# KiCad board soldiercrab_panel.kicad_pcb (continued)
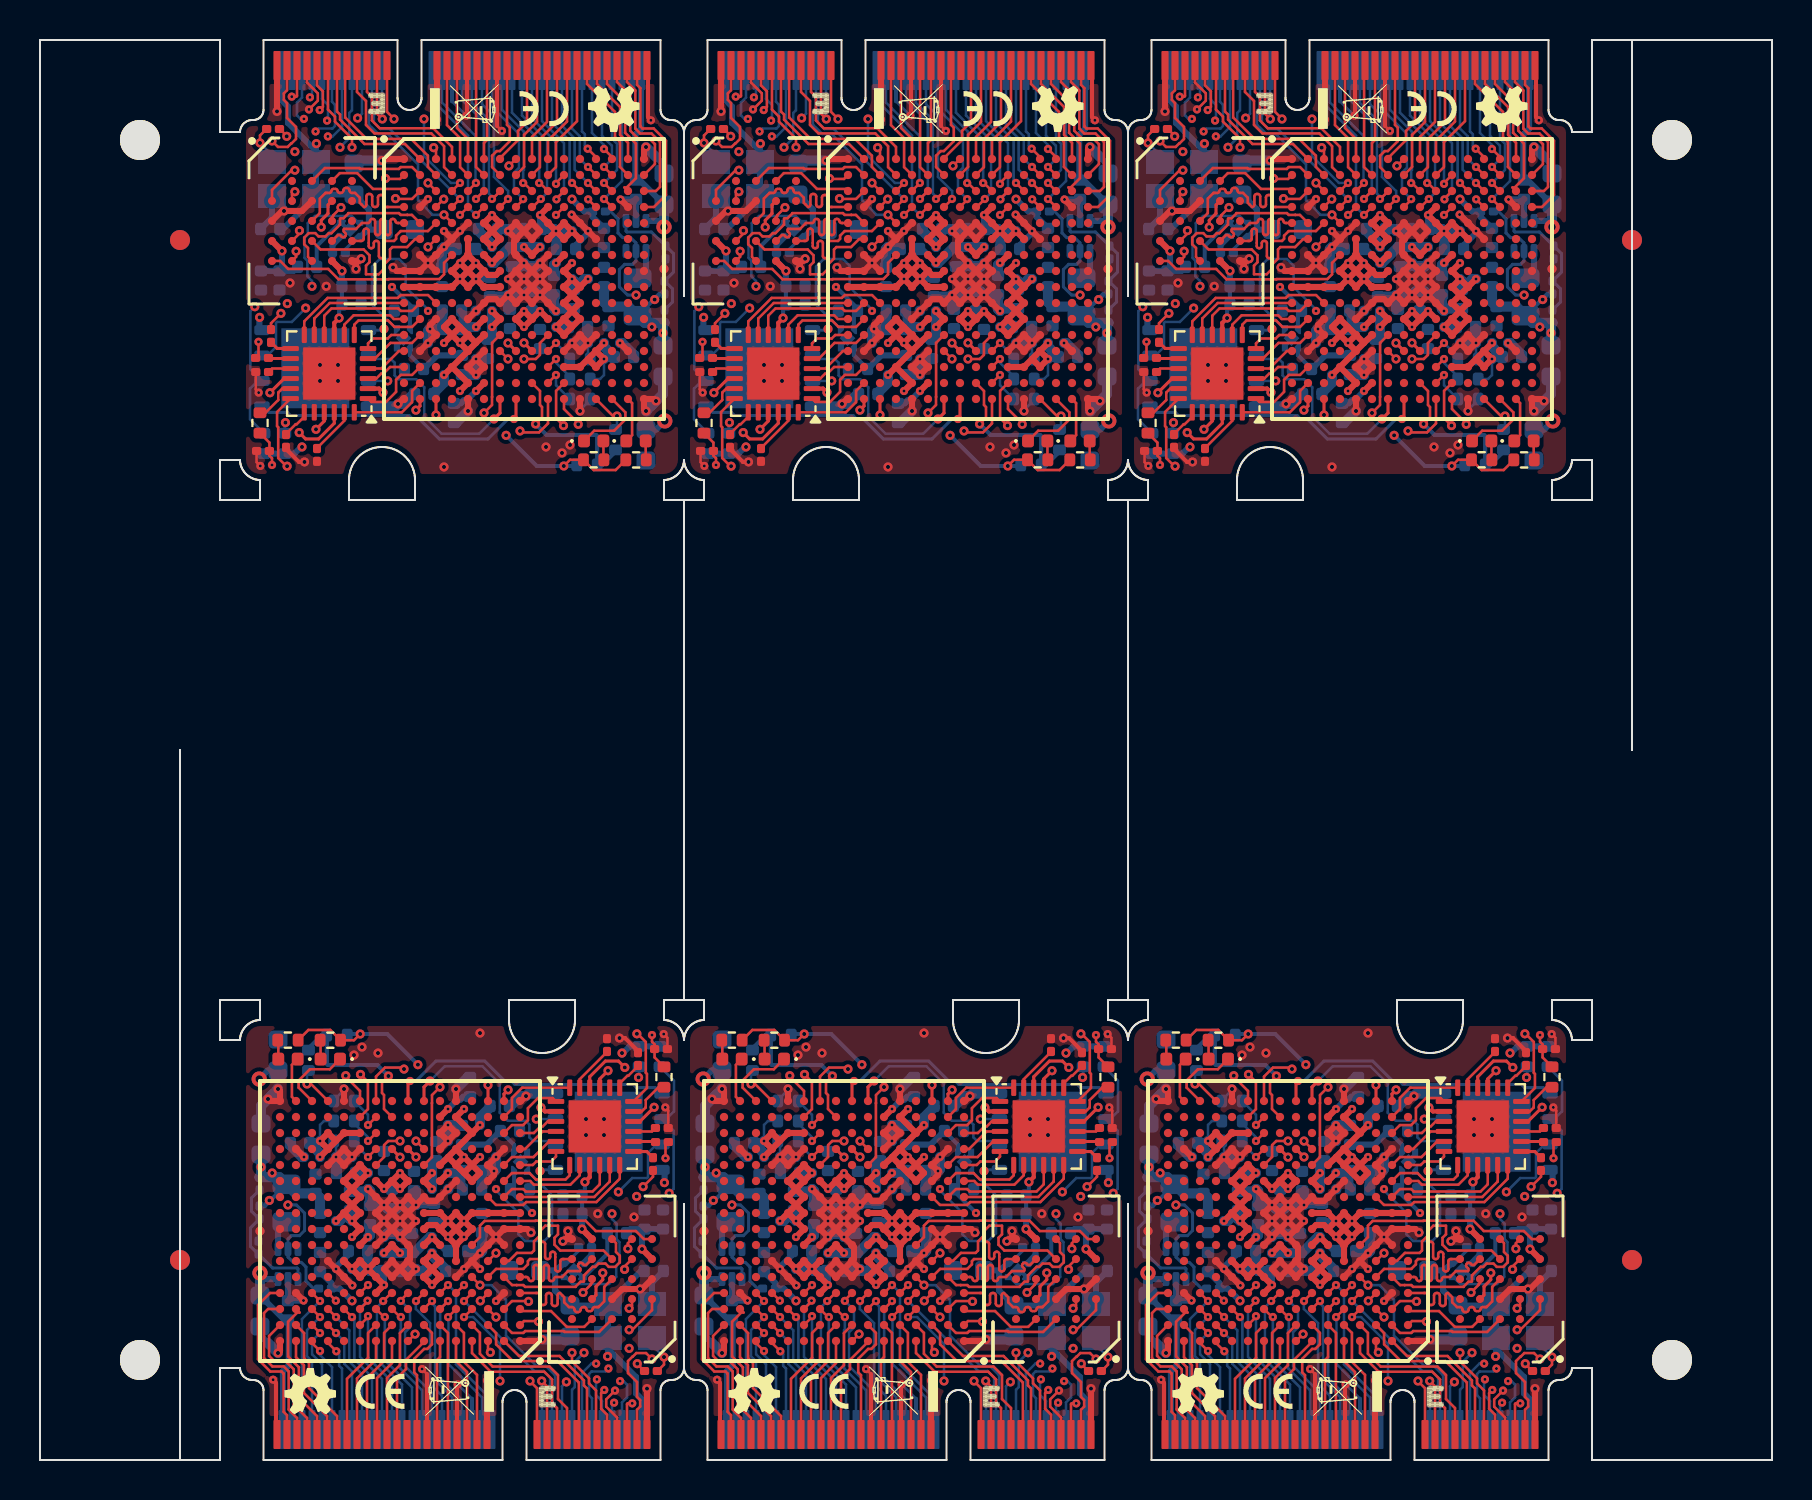
[diagram p0: board, top side]
## Routing (per net, layer and track width the routed paths; a pad name or vN(x,y) marks a point on that pad's centre or on a via; arc(x,y) is an arc through that point) (continued)
Board_5-/bank6_7/RAM.DQ6: length 7.8
  Top w0.127: v2(73.79,10.56) 73.79,10.84 U10#2.E2 ; IC1#3.F3 66.8,9.95 v2(67.2,10.35)
  In2.Cu w0.127: v2(73.79,10.56) 73.58,10.35 v2(67.2,10.35)
Board_5-/bank6_7/RAM.DQ7: length 10.2
  Top w0.127: U10#2.E1 74.59,11.05 74.19,11.45 72.19,11.45 71.67,11.97 69.18,11.97 69.16,11.95 66.64,11.95 66.4,11.71 66.4,11.15 IC1#3.G4
Board_5-/bank6_7/RAM.RWDS: length 8.7
  Top w0.127: IC1#3.D1 69.3,8.35 arc(69.38,8.32) 69.41,8.23 69.41,7.87 arc(69.45,7.78) 69.53,7.75 69.59,7.75 arc(69.67,7.78) 69.7,7.87 69.7,8.23 arc(69.74,8.32) 69.82,8.35 69.88,8.35 arc(69.96,8.32) 69.99,8.23 69.99,7.82 arc(70.03,7.73) 70.11,7.7 70.17,7.7 arc(70.25,7.73) 70.28,7.82 70.28,8.23 arc(70.32,8.32) 70.4,8.35 70.61,8.14 70.61,7.89 70.85,7.65 71,7.65 arc(71.09,7.61) 71.12,7.52 71.12,7.52 arc(71.16,7.43) 71.25,7.4 71.31,7.4 arc(71.4,7.43) 71.43,7.52 71.43,7.52 arc(71.47,7.61) 71.56,7.65 71.62,7.65 arc(71.69,7.62) 71.72,7.55 arc(71.75,7.48) 71.82,7.45 71.93,7.45 arc(72,7.48) 72.03,7.55 arc(72.06,7.62) 72.13,7.65 72.33,7.65 72.61,7.93 72.61,8.66 U10#2.C3
Board_5-/bank6_7/RAM.~{CK}: length 12.5
  Top w0.127: IC1#3.D3 66.8,8.34 v2(66.41,7.96) ; v2(73.86,6.51) 74.02,6.51 75,7.49 U10#2.B1
  In2.Cu w0.127: v2(66.41,7.96) 66.7,7.67 66.7,6.35 67.75,5.29 70.33,5.29 70.83,5.79 70.84,5.79 71.25,6.19 73.54,6.19 v2(73.86,6.51)
Board_5-/bank6_7/RAM.~{CS}: length 5.9
  Top w0.127: IC1#3.B2 68,6.35 68.56,6.35 68.66,6.45 70.59,6.45 70.64,6.4 72.36,6.4 U10#2.A3
Board_5-/bank6_7/RAM.~{RESET}: length 4.1
  Top w0.127: IC1#3.C1 68.5,7.45 69.95,7.45 70.74,6.66 71.61,6.66 U10#2.A4
Board_5-/bank6_7/USB0.DATA0: length 2.2
  Top w0.127: IC1#3.N1 68.65,15.55 69.53,16.43 U3#6.4
Board_5-/bank6_7/USB0.DATA1: length 3.1
  Top w0.127: U3#6.5 69.86,15.93 69.08,15.15 68,15.15 IC1#3.M2
Board_5-/bank6_7/USB0.DATA2: length 2.2
  Top w0.127: IC1#3.M1 69.04,14.75 69.21,14.92 69.95,14.92 70.2,15.17 U3#6.6
Board_5-/bank6_7/USB0.DATA3: length 4.2
  Top w0.127: U3#6.7 70.89,14.23 70.68,14.02 69.2,14.02 68.87,14.35 68,14.35 IC1#3.L2
Board_5-/bank6_7/USB0.DATA4: length 3.8
  Top w0.127: U3#6.8 71.39,14.23 70.92,13.77 69.09,13.77 68.91,13.95 IC1#3.L1
Board_5-/bank6_7/USB0.DATA5: length 6.1
  Top w0.127: U3#6.10 72.39,13.78 72.03,13.42 68.69,13.42 68.56,13.55 68,13.55 IC1#3.K2
Board_5-/bank6_7/USB0.DATA6: length 5.6
  Top w0.127: U3#6.11 72.89,13.92 72.11,13.15 IC1#3.K1
Board_5-/bank6_7/USB0.DATA7: length 8
  Top w0.127: IC1#3.K3 67.2,12.75 68.56,12.75 68.71,12.9 72.22,12.9 73.39,14.07 U3#6.12
Board_5-/bank6_7/USB0.DIR: length 3.7
  Top w0.127: IC1#3.P2 68,16.75 68.56,16.75 68.8,16.99 68.8,17.59 69.3,18.1 70.03,18.1 U3#6.1
Board_5-/bank6_7/USB0.NXT: length 2
  Top w0.127: IC1#3.P1 69.09,16.35 69.43,16.68 69.54,16.68 69.79,16.93 U3#6.3
Board_5-/bank6_7/USB0.REFCLK: length 8.1
  Top w0.152: v2(72.8,19.47) 72.39,19.05 U3#6.21 ; v2(66.8,18.75) IC1#3.T3
  In2.Cu w0.152: v2(66.8,18.75) 67.1,19.05 72.38,19.05 v2(72.8,19.47)
Board_5-/bank6_7/USB0.STP: length 4.2
  Top w0.127: IC1#3.R2 68,17.55 68,18.1 68.51,18.62 U3#6.24
Board_5-/bank6_7/USB0.~{RESET}: length 9.7
  Top w0.152: v2(73.64,19.63) 73.32,19.95 72.67,19.95 71.89,19.16 U3#6.22 ; v2(67.8,18.51) 67.6,18.3 IC1#3.T2
  In2.Cu w0.152: v2(67.8,18.51) 67.95,18.65 72.66,18.65 v2(73.64,19.63)
Board_5-/bank8_configuration/D0: length 14.9
  Top w0.152: IC1#3.T8 62.8,18.85 v1(62.9,18.95)
  Bottom w0.152: v1(62.9,18.95) 63.2,18.95 64.2,19.95 66.63,19.95 67.65,18.94 67.98,18.94 68.15,18.78 74.07,18.78 74.23,18.62 75.17,18.62 75.47,18.32 75.63,18.32
Board_5-/bank8_configuration/D1: length 10.7
  Top w0.152: v2(63.9,18.95) 63.6,18.65 IC1#3.T7
  Bottom w0.127: v2(63.9,18.95) 64.63,19.68 66.52,19.68 67.39,18.82 67.39,17.36 67.79,16.96 68.68,16.96 68.87,16.77 68.87,16.13 69.06,15.95 70.13,15.95 70.3,15.78
Board_5-/bank8_configuration/D2: length 12.6
  Top w0.127: v2(64.4,18.65) 64,18.25 64,17.85 64,17.84 64,15.15 IC1#3.M7
  In1.Cu w0.127: v2(69.22,17.04) 68.88,17.38 68.88,17.7 69.42,18.24 69.42,18.37 68.62,19.17 64.92,19.17 v2(64.4,18.65)
  Bottom w0.127: v2(69.22,17.04) 69.22,17.05 70.3,17.05
Board_5-/bank8_configuration/D3: length 26.2
  Top w0.127: v2(63.2,15.95) 63.6,15.55 IC1#3.N7
  In1.Cu w0.127: v2(73.32,13.4) 73.32,13.77 74.43,14.88 74.43,18.64 74.75,18.96 74.75,19.3 74.49,19.56 74.17,19.56 73.65,19.05 72.58,19.05 72.18,19.45 63.8,19.45 63.3,18.94 63.3,16.04 v2(63.2,15.95)
  Bottom w0.127: v2(73.32,13.4) 74.01,14.1 74.75,14.1 74.8,14.15 74.8,15.35 75.23,15.78 75.63,15.78
Board_5-/bank8_configuration/FPGA_CFG0: length 1.7
  Top w0.127: IC1#3.N10 v1(60.8,15.15)
  Bottom w0.127: R12#4.1 60.11,15.84 v1(60.8,15.15)
Board_5-/bank8_configuration/FPGA_CFG1: length 1.9
  Top w0.127: IC1#3.P10 v1(60.8,15.95)
  Bottom w0.127: R13#5.1 60.11,16.83 60.8,16.14 v1(60.8,15.95)
Board_5-/bank8_configuration/FPGA_CFG2: length 2.1
  Top w0.127: IC1#3.R10 v1(60.8,16.75)
  Bottom w0.127: v1(60.8,16.75) 60.8,17.26 R14.1
Board_5-/bank8_configuration/FPGA_CONFIG.~{PROGRAM}: length 8.5
  Top w0.127: v2(61.82,19.2) 61.5,18.88 61.5,18.35 61.6,18.25 61.6,17.55 IC1#3.R9
  Bottom w0.203: 57.75,20.51 58.49,21.25 R6#2.2 58.74,19.81 58.8,19.75 61.27,19.75 v2(61.82,19.2)
Board_5-/bank8_configuration/FPGA_FLASH_CLK: length 22.8
  Top w0.152: IC1#3.N9 62,15.54 v2(62.4,15.14)
  In1.Cu w0.152: v2(62.4,15.14) 63.09,14.45 63.52,14.45 63.83,14.76 65.02,14.76 67.03,12.75 68.82,12.75 68.83,12.76 69.17,12.76 69.18,12.75 75.27,12.75 v2(75.86,13.34)
  Bottom w0.127: v2(75.86,13.34) 76.08,13.55 76.08,16.47 U7#2.6 ; 75.55,17.05 75.72,17.05 76.1,17.43 76.1,18.96 R109#4.2
Board_5-/bank8_configuration/~{CS_DI}: length 16.5
  Top w0.152: v2(63.2,15.15) IC1#3.N8
  In1.Cu w0.152: v2(63.2,15.15) 63.22,15.17 65,15.17 66.15,14.02 67.66,14.02 68.09,14.45 v2(69.4,14.45) 69.4,15.72 72.47,18.78 73.98,18.78 v2(74.33,19.13)
  Bottom w0.152: v2(74.33,19.13) 74.36,19.16 R110#4.2 ; v2(69.4,14.45) 69.46,14.51 70.3,14.51
Board_5-/usb/ULPI_1V8: length 2.4
  Top w0.127: C34#4.1 72.75,20.4 71.39,19.04 U3#6.23
Board_5-/usb/ULPI_3V3: length 1.2
  Top w0.127: C36#6.1 75,16.43 U3#6.15
Board_5-ECP5_A2: length 7.6
  Top w0.127: J1#4.13 71.75,3.57 71.6,3.73 71.6,3.98 70.37,5.2 68.35,5.2 IC1#3.A2
Board_5-ECP5_A3: length 9.3
  Top w0.127: v2(71,5.37) 71,4.93 71.85,4.08 71.85,3.83 72.2,3.48 72.2,1.32 J1#4.11 ; v2(66.92,5.38) 66.8,5.5 IC1#3.A3
  In1.Cu w0.127: v2(71,5.37) 70.98,5.38 v2(66.92,5.38)
Board_5-ECP5_A4: length 8
  Top w0.127: IC1#3.A4 66,5.35 66.93,4.41 69.61,4.41 70,4.02 70,2.84 70.25,2.6 J1#4.19
Board_5-ECP5_A5: length 4.9
  Top w0.127: J1#4.37 65.75,4.4 65.2,4.95 IC1#3.A5
Board_5-ECP5_A6: length 4.7
  Top w0.127: IC1#3.A6 64.4,5.15 64.25,5 J1#4.43
Board_5-ECP5_A7: length 5.3
  Top w0.127: IC1#3.A7 63.6,5.81 63.5,5.81 62.7,5.01 62.7,4.55 62.25,4.1 J1#4.51
Board_5-ECP5_A9: length 5
  Top w0.127: IC1#3.A9 62,4.85 61.25,4.1 J1#4.55
Board_5-ECP5_A10: length 5.1
  Top w0.127: J1#4.59 60.25,4.08 61.2,5.03 IC1#3.A10
Board_5-ECP5_A13: length 4.7
  Top w0.127: IC1#3.A13 58.8,5.85 v1(59.22,5.44)
  Bottom w0.127: J1#4.62 59.5,4.57 59.36,4.71 59.36,5.29 v1(59.22,5.44)
Board_5-ECP5_A14: length 4.8
  Top w0.127: v1(58.4,5.45) 58,5.85 IC1#3.A14
  Bottom w0.127: v1(58.4,5.45) 58.4,5.25 58.75,4.9 58.75,4.89 59,4.65 J1#4.64
Board_5-ECP5_A15: length 5.3
  Top w0.127: IC1#3.A15 57.2,5.14 57.6,4.74 57.6,3.35 58.75,2.2 J1#4.65
Board_5-ECP5_B3: length 8.7
  Top w0.127: J1#4.15 71.34,1.37 71.34,3.87 70.27,4.95 68.04,4.95 67.2,5.79 67.2,6.35 IC1#3.B3
Board_5-ECP5_B4: length 9.1
  Top w0.127: IC1#3.B4 66.4,6.35 66.4,5.31 67.04,4.67 69.88,4.67 70.3,4.25 70.3,3.05 70.75,2.6 J1#4.17
Board_5-ECP5_B5: length 5.9
  Top w0.127: IC1#3.B5 65.6,6.35 65.6,4.91 66.25,4.26 J1#4.35
Board_5-ECP5_B6: length 5.7
  Top w0.127: IC1#3.B6 64.8,6.35 64.8,1.32 J1#4.41
Board_5-ECP5_B7: length 6.2
  Top w0.127: J1#4.47 63.25,4.24 63.11,4.38 63.11,5.06 63.61,5.55 63.76,5.55 64,5.79 64,6.35 IC1#3.B7
Board_5-ECP5_B8: length 5.9
  Top w0.127: J1#4.53 61.75,4.1 62.4,4.74 62.4,6.35 IC1#3.B8
Board_5-ECP5_B9: length 6
  Top w0.127: IC1#3.B9 61.6,6.35 61.6,4.95 60.75,4.1 J1#4.57
Board_5-ECP5_B10: length 6.1
  Top w0.127: IC1#3.B10 60.8,6.35 60.8,5.11 59.75,4.06 J1#4.61
Board_5-ECP5_B11: length 6.8
  Top w0.127: v1(60.8,7.19) 60.8,7.15 IC1#3.B11
  Bottom w0.127: v1(60.8,7.19) 60.8,5.11 62,3.91 62,1.53 J1#4.52
Board_5-ECP5_B13: length 5.8
  Top w0.127: v1(59.2,6.35) 58.8,6.75 IC1#3.B13 58.84,6.75
  Bottom w0.127: v1(59.2,6.35) 59.61,5.94 59.61,4.82 60,4.43 J1#4.60
Board_5-ECP5_B14: length 5.8
  Top w0.127: v1(58.4,6.35) 58.4,6.35 IC1#3.B14
  Bottom w0.127: J1#4.66 58.5,4.79 58,5.29 58,5.95 v1(58.4,6.35)
Board_5-ECP5_B15: length 6.3
  Top w0.127: IC1#3.B15 57.6,6.35 57.6,5.09 57.85,4.85 57.85,3.6 59.25,2.2 J1#4.63
Board_5-ECP5_B16: length 6.8
  Top w0.127: IC1#3.B16 55.85,6.2 55.85,5.2 56.13,4.93 56.69,4.93 57.09,4.53 57.09,2.76 57.75,2.1 J1#4.69
Board_5-ECP5_C4: length 14.2
  Top w0.127: IC1#3.C4 66,7.55 v1(65.6,7.15)
  In1.Cu w0.127: v1(73.4,3.95) 72.7,3.95 72.64,4.01 72.64,4.19 72.41,4.43 67.88,4.43 v2(67.4,3.95)
  Bottom w0.127: v1(73.4,3.95) 73.58,3.95 73.75,3.77 73.75,3.13 73.5,2.88 J1#4.6 ; v2(67.4,3.95) 67.4,5.8 66.05,7.15 v1(65.6,7.15) 65.69,7.24
Board_5-ECP5_C5: length 6.9
  Top w0.127: 65.2,7.54 IC1#3.C5 65.2,7.54 v1(64.8,7.15)
  Bottom w0.127: v1(64.8,7.15) 64.83,7.12 64.83,4.8 65.45,4.18 65.45,4.18 66.5,3.12 J1#4.34
Board_5-ECP5_C6: length 7.6
  Top w0.127: 64.81,7.95 64.8,7.95 v1(64.8,7.95) 64.8,7.94 64.41,7.55 IC1#3.C6
  Bottom w0.127: J1#4.38 65.5,3.01 64.41,4.1 64.41,7.55 64.81,7.95
Board_5-ECP5_C7: length 7.5
  Top w0.127: IC1#3.C7 63.6,7.57 63.94,7.9
  Bottom w0.127: J1#4.40 65,3.15 64.15,3.99 64.15,7.68 64,7.84 v1(64,7.95) 63.89,7.95 63.94,7.9
Board_5-ECP5_C9: length 6.7
  Top w0.127: v1(62.44,7.15) 62.4,7.15 IC1#3.C9
  Bottom w0.127: v1(62.44,7.15) 62.44,6.54 62.4,6.49 62.4,4.59 63.5,3.49 J1#4.46
Board_5-ECP5_C10: length 6.8
  Top w0.127: v1(61.64,7.15) 61.6,7.15 IC1#3.C10
  Bottom w0.127: v1(61.64,7.15) 61.64,4.99 63,3.63 J1#4.48
Board_5-ECP5_C11: length 7.6
  Top w0.127: v1(60.78,7.97) 60.78,7.93 IC1#3.C11
  Bottom w0.127: v1(60.78,7.97) 60.4,7.59 60.4,5.15 61.5,4.05 J1#4.54
Board_5-ECP5_C12: length 6.6
  Top w0.127: v1(60,7.15) 59.6,7.55 IC1#3.C12
  Bottom w0.127: J1#4.56 61,4.15 60.12,5.03 60.12,7.03 v1(60,7.15)
Board_5-ECP5_C13: length 6.7
  Top w0.127: IC1#3.C13 v1(59.2,7.15)
  Bottom w0.127: v1(59.2,7.15) 59.87,6.48 59.87,4.92 60.5,4.29 J1#4.58
Board_5-ECP5_C14: length 6.6
  Top w0.127: IC1#3.C14 58.4,7.15 v1(58.4,7.15)
  Bottom w0.127: J1#4.68 58,4.93 57.75,5.18 57.75,6.5 v1(58.4,7.15)
Board_5-ECP5_C15: length 7.2
  Top w0.127: J1#4.67 58.25,2.2 57.34,3.11 57.34,4.64 56.8,5.18 56.8,6.91 57.27,7.38 57.38,7.38 IC1#3.C15
Board_5-ECP5_C16: length 8
  Top w0.127: IC1#3.C16 55.8,7.55 55.6,7.35 55.6,5.1 56.02,4.68 56.59,4.68 56.83,4.43 56.83,2.52 57.25,2.1 J1#4.71
Board_5-ECP5_D4: length 9.3
  Top w0.127: IC1#3.D4 65.67,8.02 v1(65.6,7.95) 65.67,8
  Bottom w0.127: J1#4.22 69.5,3.35 69.9,3.75 69.9,4.12 69.58,4.45 69.11,4.45 65.61,7.95 v1(65.6,7.95)
Board_5-ECP5_D5: length 16.4
  Top w0.127: v1(65.6,8.75) 65.2,8.35 IC1#3.D5 65.2,8.36
  In1.Cu w0.127: v1(65.6,8.75) 66,8.35 66,5.45 66.48,4.96 67.09,4.96 67.26,5.13 70.64,5.13 70.83,4.95 71.77,4.95 72.43,5.6 72.95,5.6 73.8,4.75 73.8,3.56 v1(73.1,2.87)
  Bottom w0.127: v1(73.1,2.87) 73,2.76 J1#4.8
Board_5-ECP5_D6: length 8.7
  Top w0.127: IC1#3.D6 64.41,8.35 64.8,8.74 v1(64.8,8.75) 64.8,8.75 64.81,8.75
  Bottom w0.127: 64.81,8.75 65.2,8.36 65.2,4.78 65.55,4.43 65.55,4.43 67,2.98 J1#4.32
Board_5-ECP5_D7: length 7.6
  Top w0.127: IC1#3.D7 63.59,8.35 63.2,7.96 v1(63.2,7.95) 63.19,7.95 63.19,7.95
  Bottom w0.127: 63.19,7.95 63.19,7.55 63.9,6.85 63.9,3.81 64.5,3.21 J1#4.42
Board_5-ECP5_D8: length 7.8
  Top w0.127: IC1#3.D8 62.44,7.99 v1(62.44,7.95)
  Bottom w0.127: v1(62.44,7.95) 62.9,7.5 62.9,6.64 62.65,6.39 62.65,4.7 64,3.35 J1#4.44
Board_5-ECP5_D9: length 7.7
  Top w0.127: v1(61.56,7.95) 61.96,8.35 IC1#3.D9
  Bottom w0.127: J1#4.50 62.5,3.77 61.25,5.03 61.25,7.64 v1(61.56,7.95)
Board_5-ECP5_D11: length 19.1
  Top w0.127: v1(60.8,8.75) 60.4,8.35 IC1#3.D11
  In2.Cu w0.127: v1(60.8,8.75) 61.2,8.34 61.72,8.34 62.05,8.02 62.05,6.81 62.98,5.88 63.21,5.88 64.39,4.69 71.78,4.69 72.04,4.43 72.67,4.43 v1(72.82,4.57)
  Bottom w0.127: J1#4.12 72,3.09 71.85,3.24 71.85,4.3 71.98,4.43 72.67,4.43 v1(72.82,4.57)
Board_5-ECP5_D13: length 20.5
  Top w0.127: IC1#3.D13 58.8,8.35 ; IC1#3.D13 58.81,8.35 v1(59.19,7.97) ; IC1#3.D13 58.84,8.35
  In1.Cu w0.127: v1(59.19,7.97) 59.19,8.46 59.88,9.15 62.7,9.15 63.6,8.24 63.6,7.48 66.41,4.68 72.07,4.68 v1(72.21,4.82)
  Bottom w0.127: v1(72.21,4.82) 71.97,4.82 71.5,4.35 71.5,1.53 J1#4.14
Board_5-ECP5_D14: length 7.4
  Top w0.127: IC1#3.D14 v1(58.4,7.95)
  Bottom w0.127: J1#4.70 57.5,3.05 57.5,3.05 57.5,7.05 v1(58.4,7.95)
Board_5-ECP5_D16: length 8.8
  Top w0.127: IC1#3.D16 55.9,8.35 55.3,7.75 55.3,5.04 55.92,4.42 56.48,4.42 56.58,4.32 56.58,2.41 56.75,2.24 J1#4.73
Board_5-ECP5_E4: length 10
  Top w0.127: v2(66.4,8.74) 66,9.14 IC1#3.E4
  Bottom w0.127: v2(66.4,8.74) 66.97,8.74 67.7,8.01 67.7,6.22 69.22,4.7 69.68,4.7 70.16,4.23 70.16,3.6 70,3.45 J1#4.20
Board_5-ECP5_M10_TDO: length 20.8
  Top w0.127: v2(68.9,3.95) 68.9,3.94 69.25,3.59 J1#4.23 ; v2(62.4,15.95) 61.81,15.95 61.6,15.75 61.6,15.15 IC1#3.M10
  In4.Cu w0.127: v2(62.4,15.95) 62.9,16.45 63.4,16.45 67.9,11.95 67.9,4.95 v2(68.9,3.95)
Board_5-ECP5_R11_TDI: length 27.6
  Top w0.127: v2(60.42,19.28) 60.8,18.91 60.8,17.55 IC1#3.R11
  In4.Cu w0.127: v2(60.42,19.28) 61.76,17.95 66.4,17.95 67.9,16.45 67.9,14.9 68.41,14.4 68.41,5.85 68.83,5.43 69.42,5.43 70.72,4.13 v2(70.72,3.9)
  Bottom w0.127: J1#4.18 70.5,3.69 v2(70.72,3.9)
Board_5-ECP5_T10_TCK: length 28.3
  Top w0.127: v2(62.6,19.55) 62.53,19.62 61.65,19.62 61.2,19.17 IC1#3.T10
  In4.Cu w0.127: v2(62.6,19.55) 62.8,19.35 63.7,19.35 63.73,19.37 65.34,19.37 68.15,16.56 68.15,15.01 68.66,14.5 68.66,13.25 69.4,12.51 69.4,11.22 68.66,10.49 68.66,8.69 69.25,8.1 69.25,7.76 68.7,7.21 68.7,6.65 68.9,6.45 69.67,6.45 69.92,6.2 69.92,5.85 71.74,4.03 v1(72.25,4.03)
  Bottom w0.127: J1#4.10 72.5,2.95 72.2,3.25 72.2,3.98 v1(72.25,4.03)
Board_5-ECP5_T11_TMS: length 26.7
  Top w0.127: v2(59.69,19.22) 59.69,19.16 60.4,18.45 IC1#3.T11 ; J1#4.21 69.75,3.68 v2(69.48,3.95)
  In4.Cu w0.127: v2(59.69,19.22) 59.69,19.16 61.16,17.69 64.09,17.69 64.64,17.15 66.85,17.15 67.65,16.34 67.65,14.73 68.15,14.23 68.15,5.28 69.07,4.37 69.07,4.37 69.48,3.96 v2(69.48,3.95)
Board_5-EN: length 45.1
  In2.Cu w0.127: v1(67.2,13.55) 67.8,12.95 72.37,12.95 v2(73,12.32)
  In2.Cu w0.152: v2(56.8,12.75) 56.8,14.92 59.03,17.16 62.6,17.16 63.4,17.96 65.99,17.96 67.61,16.34 67.61,13.96 v1(67.2,13.55)
  Bottom w0.127: v1(67.2,13.55) 67.2,13.48 68.32,12.36 68.32,11.29 68.66,10.95 69.61,10.95 70,11.34 70,13.23 U2#4.3 ; U4#5.3 71.02,8.8 72.85,8.8 73.21,9.16 73.21,9.7 73.37,9.87 73.37,10.89 73.23,11.03 73.23,11.81 73,12.05 v2(73,12.32)
  Bottom w0.152: v2(56.8,12.75) 57.22,12.75 57.63,12.35 57.63,11.47 57.37,11.22 56.97,11.22 56.8,11.05 U1.5 56.8,10.15 57.07,9.88 57.47,9.88 57.7,9.65 57.7,8.95 58.08,8.57 R1#3.1
Board_5-GND: length 114.2
  Top w0.127: C37#6.2 75.77,21.11 v1(75.58,21.3) ; v1(56.06,4.01) 56.2,3.87 ; v1(75.67,17.63) 75.81,17.48 C36#6.2 ; v1(73.15,3.47) 72.71,3.03 72.71,2.67 73.25,2.13 J1#4.7 ; 63.75,4.3 v1(63.5,4.55) ; 56.2,1.33 J1#4.75 ; v1(65.28,3.78) 65.25,3.75
  Top w0.203: 65.25,3.75 J1#4.39 ; 74.22,20.37 74.22,20.52 73.65,21.1 v2(73.38,21.1) ; 56.2,3.87 56.2,1.33 ; J1#4.45 63.75,4.3
  Top w0.305: IC1#3.A16 56.4,5.45 v2(56.3,5.35) ; IC1#3.G2 v1(67.2,11.15) ; v1(67.2,11.15) IC1#3.H2 IC1#3.H1 68.77,11.55 v2(68.95,11.37) ; v1(67.2,11.15) IC1#3.G3 v1(66.4,10.35) IC1#3.F4 ; v1(67.2,11.15) IC1#3.H3 ; v2(70.55,10.94) 70.66,11.05 U10#2.E5 70.8,11.25 v2(70.8,11.45) ; IC1#3.N15 v1(57.6,15.15) ; IC1#3.F8 v1(63.2,9.55) IC1#3.E8 IC1#3.F9 61.6,9.55 IC1#3.E9 IC1#3.F8 ; IC1#3.F8 62.9,10.05 62.9,10.65 IC1#3.G8 v1(62.4,11.15) ; v1(59.2,15.15) IC1#3.N12 v1(60,15.15) ; v1(59.2,15.15) IC1#3.M12 v1(60,15.15) ; v1(59.2,15.15) IC1#3.M13 ; J1#4.33 v1(66.75,3.97) ; v1(61.6,12.75) IC1#3.J9 ; v1(61.6,12.75) IC1#3.K10 v1(60.8,13.55) ; v1(61.6,12.75) IC1#3.K9 v1(62.4,12.75) ; v1(61.6,12.75) IC1#3.J10 v1(61.6,11.95) ; IC1#3.J9 v1(62.4,12.75) ; IC1#3.J9 v1(61.6,11.95) ; IC1#3.J9 v1(62.4,11.95) ; v2(55.8,18.05) 55.9,17.95 IC1#3.T16 56.4,18.45 v2(56.3,18.55) ; v1(62.4,11.15) IC1#3.H8 ; v1(62.4,11.15) IC1#3.H9 ; IC1#3.H8 v1(62.4,11.95) ; IC1#3.H8 v1(63.2,11.95) IC1#3.J8 ; v1(61.6,11.95) IC1#3.H9 ; v1(61.6,11.95) IC1#3.H10 v1(61.6,11.15) ; IC1#3.H9 v1(62.4,11.95) ; IC1#3.H9 v1(61.6,11.15) ; IC1#3.T12 v2(59.6,18.55) ; IC1#3.G10 v1(61.6,11.15) ; v1(64.8,15.95) IC1#3.P6 v1(64.8,16.75) IC1#3.P5 v1(64.8,15.95) ; v1(64.8,15.95) IC1#3.N6 ; IC1#3.F4 v1(65.6,9.55) IC1#3.E5 ; IC1#3.F4 v1(66.4,9.55) ; IC1#3.L5 v1(64.8,13.55) IC1#3.K6 64.2,12.95 63.8,12.95 IC1#3.K7 v1(63.2,12.75) ; IC1#3.L3 67.1,14.25 v1(67.1,14.45) IC1#3.M3 v1(67.2,15.15) IC1#3.N2 ; v2(74.75,3.57) J1#4.1 ; U10#2.C1 74.5,8.55 v2(74.4,8.55) 73.5,8.55 U10#2.B3 ; v1(63.2,12.75) IC1#3.K8 v1(62.4,12.75) ; v1(63.2,12.75) IC1#3.J8 ; IC1#3.A1 69.42,5.95 v2(69.5,6.03) ; v2(68.7,18.2) 68.45,17.95 IC1#3.T1 ; v1(60,15.15) IC1#3.N11 ; v1(62.4,12.75) IC1#3.J8 ; v1(62.4,11.95) IC1#3.J8 ; IC1#3.D2 v1(67.2,7.95) ; v1(60.02,8.73) 60.02,8.73 IC1#3.E12 v1(59.2,9.55) IC1#3.F13 ; v1(57.58,7.97) 57.58,7.98 IC1#3.D15 ; IC1#3.T5 v2(65.2,18.55)
  In2.Cu w0.127: v1(75.58,21.3) 75.58,21.13 75.22,20.77 73.71,20.77 v2(73.38,21.1)
  Bottom w0.127: R14.2 59.09,18 59.6,18.5 v2(59.6,18.55) ; R3#5.2 55.33,11.37 v2(55.4,11.45) ; v1(59.2,15.15) 59.2,15.84 R12#4.2 ; U2#4.2 68.43,15.01 U2#4.2 ; 67.24,14.91 67.2,14.95 ; v1(65.28,3.78) 66,3.07
  Bottom w0.203: U4#5.2 71.21,9.47 U4#5.2 71.6,9.15 72.76,10.31 C65#3.2 ; 66,3.07 J1#4.36
  Bottom w0.305: C10#5.2 75,8.88 Y1#5.2 74.4,8.4 v2(74.4,8.55) ; 55.8,5.85 55.4,6.25 C2#2.2 ; v1(57.58,7.97) 56.8,7.97 U1.2 ; C79#4.2 59.82,10.27 59.2,9.65 v1(59.2,9.55) 59.2,9.55 v1(60.02,8.73)
  Bottom w0.508: v1(60,15.15) v1(59.2,15.15) 59.22,15.13 C8#2.2 ; C3#2.2 55.45,17.7 56.03,18.28 ; v1(61.6,11.15) 61.78,11.33 C13#5.2 62.22,11.33 v1(62.4,11.15) 62.58,11.33 C9#6.2 ; 61.18,12.75 v1(61.6,12.75) 61.78,12.57 C17.2 62.22,12.57 v1(62.4,12.75) v1(63.2,12.75) ; 64.82,13.53 v1(64.8,13.55) ; C18#4.2 63.3,9.45 v1(63.2,9.55) 63.1,9.45 C14#6.2 ; 63.2,13.47 v1(63.2,12.75) ; v1(63.2,12.75) 63.28,12.83 C19#3.2 ; v2(65.2,18.55) 65.78,19.13 C81#5.2 ; v2(56.3,5.35) 55.8,5.85 ; C83#4.2 66.5,10.45 v1(66.4,10.35) 66.3,10.45 C15.2 ; 56.03,18.28 v2(56.3,18.55) 56.28,18.58 ; 56.03,18.28 v2(55.8,18.05) ; C22#5.2 65.48,16.75 v1(64.8,16.75) v1(64.8,15.95) 64.22,15.95 C26#3.2 ; C24#4.2 60.9,13.45 v1(60.8,13.55) 60.68,13.43 C16.2 ; C12.2 C33.2 v1(67.1,14.45) 67.2,14.55 v1(67.2,15.15) ; v2(69.5,6.03) 70.75,6.03 C4#2.2 ; C80#2.2 56.92,15.73 57.5,15.15 v1(57.6,15.15) ; 67.88,17.65 68.43,18.2 v2(68.7,18.2) 68.82,18.32 70.3,18.32
  vias: v2(60.1,20.25) v2(60.5,20.65) v2(61.3,20.35) v2(66.4,21.35) v2(71.7,17.05) v2(71.7,16.25) v2(72.29,12.32) v2(72.6,17.05) v2(72.6,16.25) v2(74.1,12.15)
Board_5-Net-(D1-A): length 1
  Top w0.127: D1.2 56.32,20.97 R11#3.1
Board_5-Net-(D1-K): length 2.3
  Top w0.127: IC1#3.T15 57,18.15 57,19.76 D1.1
Board_5-Net-(D2-A): length 1
  Top w0.127: D2#3.2 58.43,20.97 R15#5.1
Board_5-Net-(D2-K): length 3.8
  Top w0.127: IC1#3.T14 57.33,18.62 57.33,18.97 57.89,19.54 58.89,19.54 D2#3.1
Board_5-Net-(U1-FB): length 6.7
  Bottom w0.152: R2#4.1 54.97,13.1 54.97,12.44 55.35,12.06 C25#2.1 54.92,11.6 54.92,10.68 55.3,10.3 R3#5.1 56.03,9.6 57.25,9.6 57.3,9.55 U1.1
Board_5-Net-(U1-SW): length 1.5
  Bottom w0.305: U1.4 56.3,11.48 L1#3.1
Board_5-Net-(U3-DM): length 1.1
  Top w0.152: 75.18,15.93 74.08,15.93 U3#6.14
Board_5-Net-(U3-DP): length 1.1
  Top w0.152: U3#6.13 74.08,15.42 74.75,15.42 R10#6.2
Board_5-Net-(U3-RBIAS): length 1.5
  Top w0.127: U3#6.19 73.39,18.83 73.76,19.21 73.81,19.21 74.22,19.62 74.22,19.73
Board_5-Net-(U3-VBUS): length 2.2
  Top w0.127: R8.1 75.33,18.64 74.69,18 74.69,17.63 74.49,17.43 U3#6.17
Board_5-Net-(Y1-OUT): length 2.1
  Top w0.127: v2(75.6,5.15) 75.6,4.77 75.27,4.44
  Bottom w0.127: Y1#5.3 75,5.75 v2(75.6,5.15)
Board_5-USB0_DM: length 16.8
  Top w0.127: 75.82,15.93 75.82,15.9 75.68,15.75 v1(75.68,15.09) ; v1(74.01,2.83) 73.78,2.83 73.75,2.8 J1#4.5
  In2.Cu w0.127: v1(74.01,2.83) 74.01,3.56 74.7,4.25 75.29,4.25 76.02,4.97 76.02,5.32 75.58,5.76 75.58,5.93 75.59,5.94 75.59,12.99 75.1,13.48 75.1,14.51 v1(75.68,15.09)
Board_5-USB0_DP: length 15.7
  Top w0.127: 75.15,14.48 R10#6.1 75.05,14.16 v2(74.55,13.67) ; J1#4.3 74.25,2.51 74.41,2.67 74.41,3 74.25,3.15 74.25,3.9 73.8,4.35 73.8,4.95 74.02,5.16 74.03,5.16 74.21,5.35 74.7,5.35 v2(75,5.05)
  In2.Cu w0.127: v2(75,5.05) 75,5.71 75.33,6.05 75.33,12.89 v2(74.55,13.67)
Board_5-USB0_ID: length 28.8
  Top w0.127: U3#6.18 74.75,18.6 74.75,19.3 74.69,19.36 74.69,20.9 74.28,21.31 v2(74.24,21.31)
  In4.Cu w0.127: v2(71.6,5.37) 72.23,6 75.65,6 76.04,6.38 76.04,10.65 75.2,11.48 75.2,15.17 74.69,15.69 74.69,17.81 74.93,18.06 74.93,20.72 74.34,21.31 v2(74.24,21.31)
  Bottom w0.127: J1#4.16 71,3.51 71.14,3.65 71.14,4.9 v2(71.6,5.37)
Board_5-USB0_VBUS: length 24.5
  Top w0.127: v1(72.61,3.5) 72.46,3.35 72.46,2.56 72.75,2.27 J1#4.9 ; R8.2 75.13,20.13 75.13,20.78 75,20.91 v1(75,21.25)
  In1.Cu w0.127: v2(74.23,13.18) 74.06,13.35 74.06,14.15 74.69,14.77 74.69,18.54 75,18.85 75,19.41 74.7,19.71 74.7,20.5 75,20.8 v1(75,21.25)
  In2.Cu w0.127: v2(73.86,5.58) 74.51,5.58 75.08,6.15 75.08,12.33 v2(74.23,13.18)
  In4.Cu w0.127: v2(73.86,5.58) 73.86,4.96 72.92,4.02 72.92,3.81 v1(72.61,3.5)
Board_5-VCCRAM: length 38.3
  Top w0.152: v2(72.54,9.36) 72.54,9.02 72.2,8.68 72.2,8.25 U10#2.B4
  Top w0.203: U3#6.2 69.64,17.43 v2(69.45,17.62) ; U3#6.9 71.89,14.14 v2(71.65,13.9)
  Top w0.305: v1(64.8,11.95) 64.8,11.95 ; v1(64.8,11.95) 64.4,12.35 IC1#3.J6 IC1#3.J7 ; v1(64.8,11.95) 64.8,11.95 IC1#3.H6 ; 64.8,11.95 IC1#3.J5 65.6,11.95 ; 64.8,11.95 IC1#3.H5 ; U10#2.D1 v2(74.5,10.55) ; v1(65.6,15.15) IC1#3.M4 ; v1(65.6,15.15) IC1#3.N5 ; v1(65.6,15.15) IC1#3.M5 ; IC1#3.M4 v1(66.4,15.15) ; IC1#3.M4 65.6,14.35 ; IC1#3.M4 66.4,14.35 IC1#3.L4 65.6,14.35 ; IC1#3.H6 64.2,11.75 63.8,11.75 IC1#3.H7 ; IC1#3.H6 64.8,11.15 ; 65.6,11.15 IC1#3.H4 65.6,11.95 ; 65.6,11.15 v1(65.6,11.15) 65.6,11.15 IC1#3.G5 ; 65.6,11.15 IC1#3.H5 ; v1(65.6,17.55) IC1#3.R5 IC1#3.P4 ; IC1#3.H5 64.8,11.15 ; IC1#3.H5 65.6,11.95 v1(65.6,11.95) 65.6,11.95 ; 64.8,11.15 v1(64.8,11.15) 64.8,11.15 IC1#3.G5 ; 65.6,11.95 IC1#3.J4 IC1#3.J3 IC1#3.J2 IC1#3.J1 ; IC1#3.P4 v1(66.4,16.75) ; IC1#3.P4 IC1#3.N5 ; IC1#3.N5 64.8,15.15 ; 64.8,15.15 IC1#3.M6 ; 64.8,15.15 IC1#3.M5 ; 65.6,14.35 IC1#3.M5 ; IC1#3.G5 IC1#3.F5 ; U10#2.E4 v2(71.5,11.55)
  Bottom w0.203: v2(71.65,13.9) 71.65,13.37 C5#6.1 C32#5.1
  Bottom w0.305: C65#3.1 73.92,11.54 C31#5.1 ; v2(74.5,10.55) 74.5,11.42 C31#5.1 ; C31#5.1 75.55,11.54 75.5,11.49 ; C83#4.1 66.12,12.33 66.1,12.35 66,12.35 v1(65.6,11.95) ; C19#3.1 64.18,11.95 v1(64.8,11.95) ; 71.56,9.82 71.98,10.24 71.98,11.07 v2(71.5,11.55) 71.51,11.55 C32#5.1 71.53,12.27
  Bottom w0.508: v1(66.4,16.75) 66.4,17.13 66.92,17.65

## Copper pours and planes (outline as drawn; the poured copper is in the pictures)
Board_0-+1V1 on Bottom: 22.9,57.95 25.6,57.95 25.6,55.95 22.9,55.95
Board_0-+1V1 on In3.Cu: 26.2,46.75 22.1,55.65 20.85,71.3 32.2,71.15 33.9,56.85 33.2,48.95
Board_0-+3V3 on In2.Cu: 40.8,43.15 6,42.55 5,73.95 37.8,74.05
Board_0-GND on Top: -6.3,28.55 -6.05,68.8 54.95,68.8 54.7,28.55
Board_0-GND on Bottom: -5.3,68.3 54.7,68.3 54.2,29.05 -5.8,29.05
Board_0-GND on In1.Cu, In4.Cu: 53.7,29.55 -5.3,29.55 -5.3,88.55 53.7,88.55
Board_0-VCCRAM on In3.Cu: 8,72.45 21.6,72.25 27,72.35 28.8,46.45 8,45.05
Board_1-+1V1 on Bottom: 45.1,57.95 47.8,57.95 47.8,55.95 45.1,55.95
Board_1-+1V1 on In3.Cu: 48.4,46.75 44.3,55.65 43.05,71.3 54.4,71.15 56.1,56.85 55.4,48.95
Board_1-+3V3 on In2.Cu: 63,43.15 28.2,42.55 27.2,73.95 60,74.05
Board_1-GND on Top: 15.9,28.55 16.15,68.8 77.15,68.8 76.9,28.55
Board_1-GND on Bottom: 16.9,68.3 76.9,68.3 76.4,29.05 16.4,29.05
Board_1-GND on In1.Cu, In4.Cu: 75.9,29.55 16.9,29.55 16.9,88.55 75.9,88.55
Board_1-VCCRAM on In3.Cu: 30.2,72.45 43.8,72.25 49.2,72.35 51,46.45 30.2,45.05
Board_2-+1V1 on Bottom: 67.3,57.95 70,57.95 70,55.95 67.3,55.95
Board_2-+1V1 on In3.Cu: 70.6,46.75 66.5,55.65 65.25,71.3 76.6,71.15 78.3,56.85 77.6,48.95
Board_2-+3V3 on In2.Cu: 85.2,43.15 50.4,42.55 49.4,73.95 82.2,74.05
Board_2-GND on Top: 38.1,28.55 38.35,68.8 99.35,68.8 99.1,28.55
Board_2-GND on Bottom: 39.1,68.3 99.1,68.3 98.6,29.05 38.6,29.05
Board_2-GND on In1.Cu, In4.Cu: 98.1,29.55 39.1,29.55 39.1,88.55 98.1,88.55
Board_2-VCCRAM on In3.Cu: 52.4,72.45 66,72.25 71.4,72.35 73.2,46.45 52.4,45.05
Board_3-+1V1 on Bottom: 19.3,13.05 16.6,13.05 16.6,15.05 19.3,15.05
Board_3-+1V1 on In3.Cu: 16,24.25 20.1,15.35 21.35,-0.3 10,-0.15 8.3,14.15 9,22.05
Board_3-+3V3 on In2.Cu: 1.4,27.85 36.2,28.45 37.2,-2.95 4.4,-3.05
Board_3-GND on Top: 48.5,42.45 48.25,2.2 -12.75,2.2 -12.5,42.45
Board_3-GND on Bottom: 47.5,2.7 -12.5,2.7 -12,41.95 48,41.95
Board_3-GND on In1.Cu, In4.Cu: -11.5,41.45 47.5,41.45 47.5,-17.55 -11.5,-17.55
Board_3-VCCRAM on In3.Cu: 34.2,-1.45 20.6,-1.25 15.2,-1.35 13.4,24.55 34.2,25.95
Board_4-+1V1 on Bottom: 41.5,13.05 38.8,13.05 38.8,15.05 41.5,15.05
Board_4-+1V1 on In3.Cu: 38.2,24.25 42.3,15.35 43.55,-0.3 32.2,-0.15 30.5,14.15 31.2,22.05
Board_4-+3V3 on In2.Cu: 23.6,27.85 58.4,28.45 59.4,-2.95 26.6,-3.05
Board_4-GND on Top: 70.7,42.45 70.45,2.2 9.45,2.2 9.7,42.45
Board_4-GND on Bottom: 69.7,2.7 9.7,2.7 10.2,41.95 70.2,41.95
Board_4-GND on In1.Cu, In4.Cu: 10.7,41.45 69.7,41.45 69.7,-17.55 10.7,-17.55
Board_4-VCCRAM on In3.Cu: 56.4,-1.45 42.8,-1.25 37.4,-1.35 35.6,24.55 56.4,25.95
Board_5-+1V1 on Bottom: 63.7,13.05 61,13.05 61,15.05 63.7,15.05
Board_5-+1V1 on In3.Cu: 60.4,24.25 64.5,15.35 65.75,-0.3 54.4,-0.15 52.7,14.15 53.4,22.05
Board_5-+3V3 on In2.Cu: 45.8,27.85 80.6,28.45 81.6,-2.95 48.8,-3.05
Board_5-GND on Top: 92.9,42.45 92.65,2.2 31.65,2.2 31.9,42.45
Board_5-GND on Bottom: 91.9,2.7 31.9,2.7 32.4,41.95 92.4,41.95
Board_5-GND on In1.Cu, In4.Cu: 32.9,41.45 91.9,41.45 91.9,-17.55 32.9,-17.55
Board_5-VCCRAM on In3.Cu: 78.6,-1.45 65,-1.25 59.6,-1.35 57.8,24.55 78.6,25.95

## Text on the board
B.Mask: beschränkt) | (haftungs- | apfelaudio UG | 2025
B.Silkscreen: aus DE | mit
User.Comments: V-CUT
F.Mask: D1 | D2 | R3/02.25 | [apf.audio] | soldiercrab
